# KiCad board 60B.kicad_pcb
title: ZENSAI 60B; rev: i1v1; company: shoonie
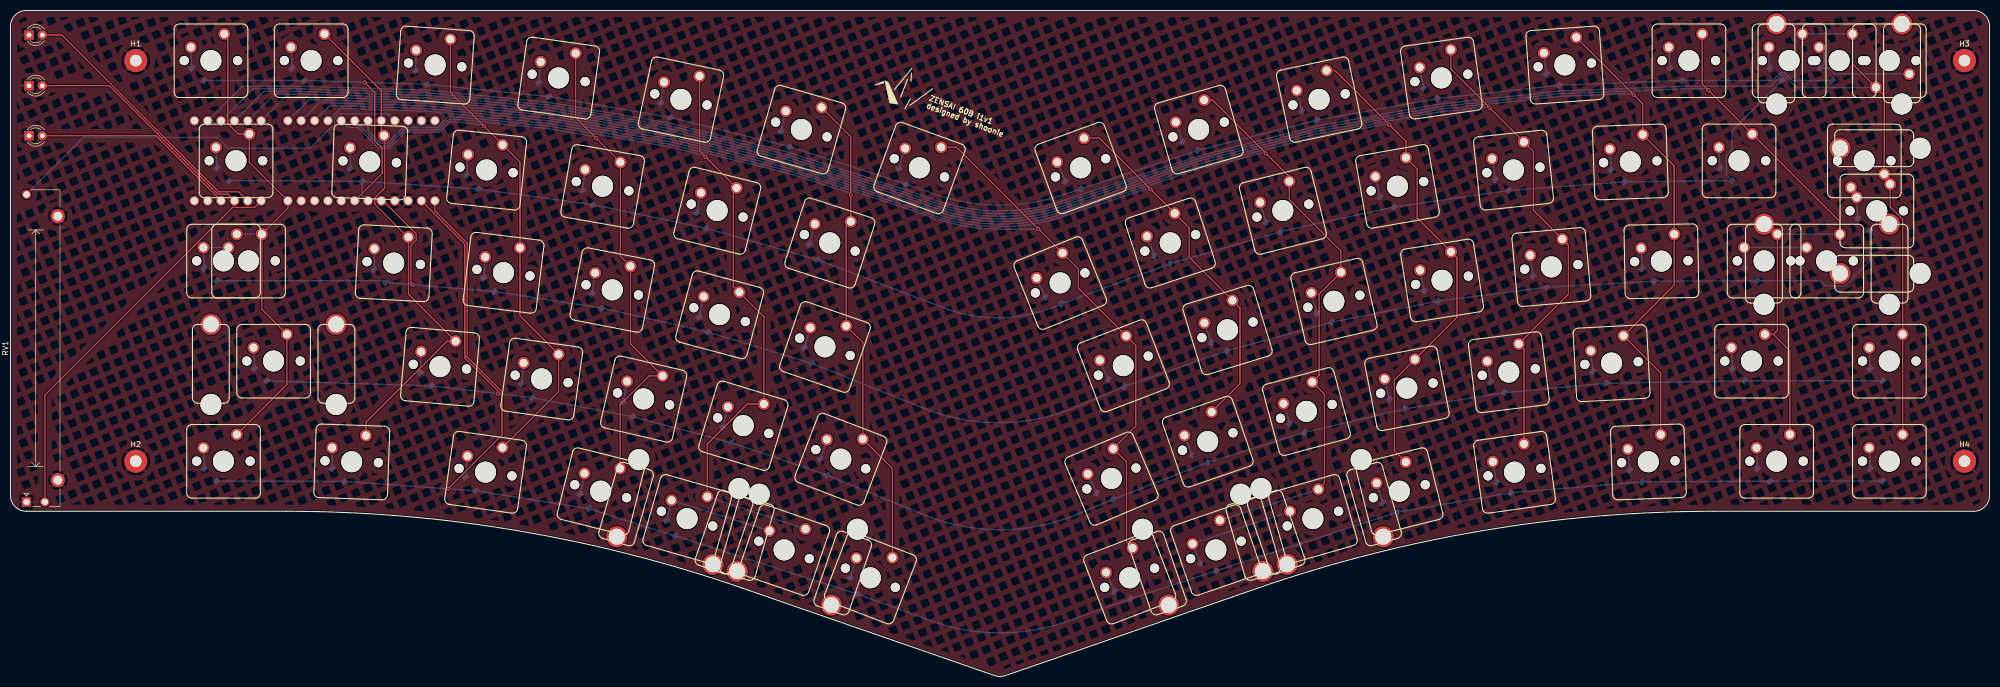
[diagram p0: board, top side]
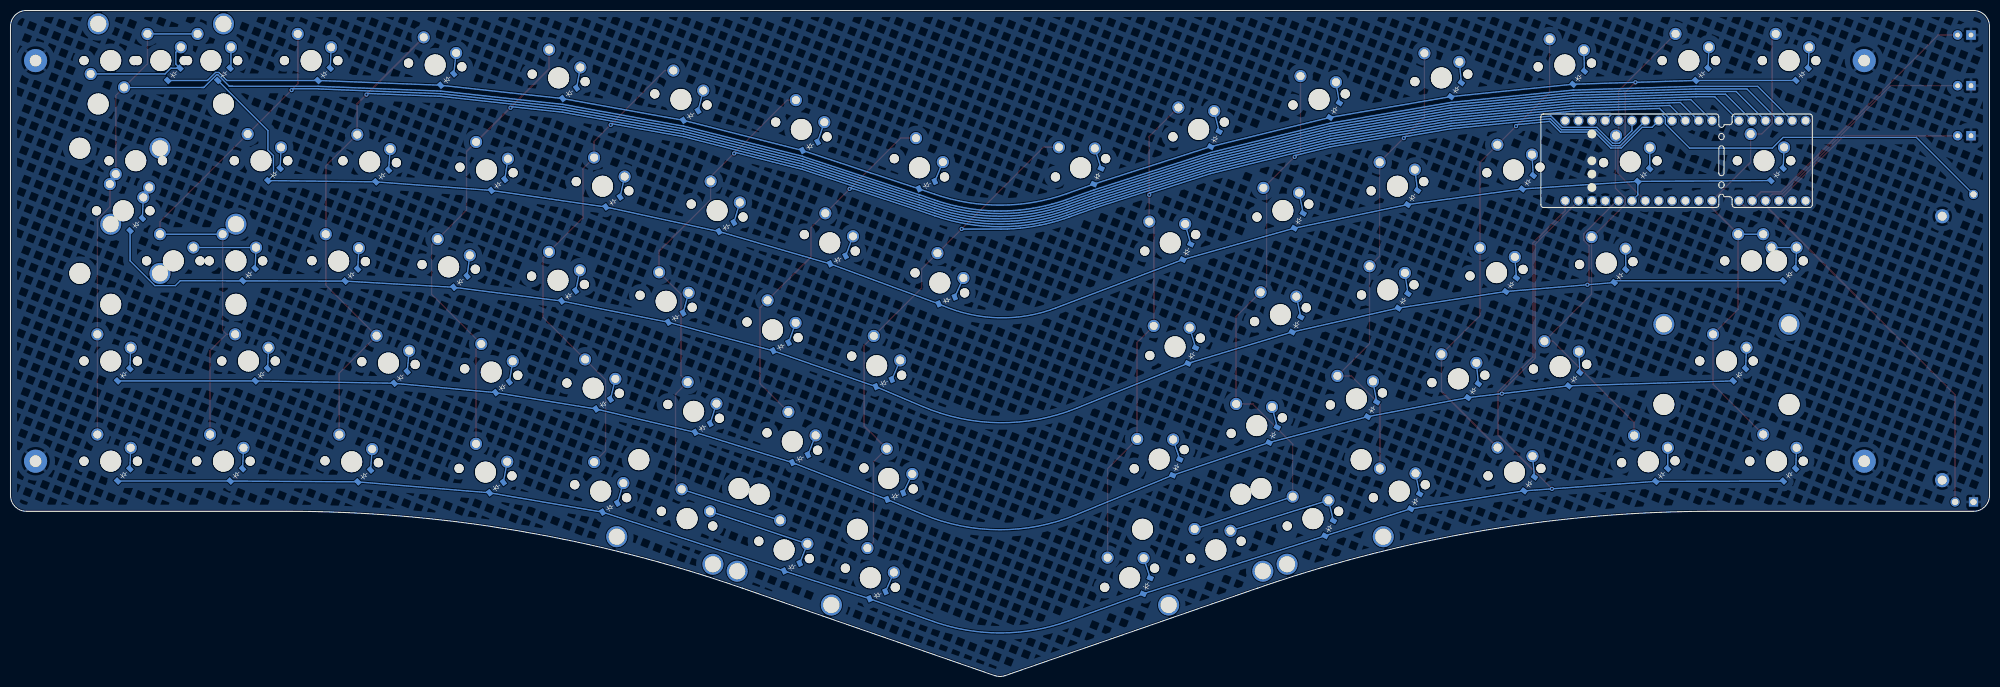
[diagram p1: board, bottom side, seen from below]

Outline 376.24 x 126.68 mm; copper layers: Top, Bottom. Coordinates in mm from the lower left corner of the outline.
Outline path: 0,123.68 0,34.43 arc(0.88,32.31) 3,31.43 52.39,31.43 arc(96.35,27.75) 139.09,16.82 187.14,0.17 arc(188.12,0) 189.1,0.17 237.14,16.82 arc(279.89,27.75) 323.85,31.43 373.24,31.43 arc(375.36,32.31) 376.24,34.43 376.24,123.68 arc(375.36,125.8) 373.24,126.68 3,126.68 arc(0.88,125.8) 0,123.68
Stack: Top 0.035mm / dielectric 1.51mm FR4 er 4.5 / Bottom 0.035mm

## Placement (name value [footprint] x y rotation side)
D1  D_Small  [D_SOD-123_CLEAN]  35.56 114.61 315 bottom
D2  D_Small  [D_SOD-123_CLEAN]  54.61 114.61 315 bottom
D3  D_Small  [D_SOD-123_CLEAN]  78.03 113.97 311 bottom
D4  D_Small  [D_SOD-123_CLEAN]  101.34 111.7 307 bottom
D5  D_Small  [D_SOD-123_CLEAN#3]  124.44 107.81 303 bottom
D6  D_Small  [D_SOD-123_CLEAN]  147.21 102.31 299 bottom
D7  D_Small  [D_SOD-123_CLEAN]  169.54 95.24 295 bottom
D8  D_Small  [D_SOD-123_CLEAN]  201.92 93.51 335 bottom
D9  D_Small  [D_SOD-123_CLEAN]  224.14 100.91 331 bottom
D10  D_Small  [D_SOD-123_CLEAN#3]  246.83 106.75 327 bottom
D11  D_Small  [D_SOD-123_CLEAN]  269.87 110.99 323 bottom
D12  D_Small  [D_SOD-123_CLEAN]  293.14 113.62 319 bottom
D13  D_Small  [D_SOD-123_CLEAN]  316.55 114.61 315 bottom
D14  D_Small  [D_SOD-123_CLEAN]  345.12 114.61 315 bottom
D16  D_Small  [D_SOD-123_CLEAN]  40.32 95.56 315 bottom
D17  D_Small  [D_SOD-123_CLEAN]  65.66 95.46 313 bottom
D18  D_Small  [D_SOD-123_CLEAN]  87.71 94.1 309 bottom
D19  D_Small  [D_SOD-123_CLEAN]  109.62 91.2 305 bottom
D20  D_Small  [D_SOD-123_CLEAN]  131.27 86.78 301 bottom
D21  D_Small  [D_SOD-123_CLEAN#3]  152.55 80.86 297 bottom
D22  D_Small  [D_SOD-123_CLEAN#3]  198.15 71.56 337 bottom
D23  D_Small  [D_SOD-123_CLEAN#3]  218.85 79.29 333 bottom
D24  D_Small  [D_SOD-123_CLEAN]  240.04 85.55 329 bottom
D25  D_Small  [D_SOD-123_CLEAN]  261.62 90.31 325 bottom
D26  D_Small  [D_SOD-123_CLEAN]  283.47 93.56 321 bottom
D27  D_Small  [D_SOD-123_CLEAN]  305.5 95.28 317 bottom
D28  D_Small  [D_SOD-123_CLEAN]  326.07 95.56 315 bottom
D29  D_Small  [D_SOD-123_CLEAN]  335.6 114.61 315 bottom
D30  D_Small  [D_SOD-123_CLEAN]  37.94 76.51 315 bottom
D32  D_Small  [D_SOD-123_CLEAN#2]  70.18 76.24 312 bottom
D33  D_Small  [D_SOD-123_CLEAN]  90.88 74.61 308 bottom
D34  D_Small  [D_SOD-123_CLEAN]  111.42 71.53 304 bottom
D35  D_Small  [D_SOD-123_CLEAN]  131.69 67.03 300 bottom
D36  D_Small  [D_SOD-123_CLEAN]  151.6 61.13 296 bottom
D37  D_Small  [D_SOD-123_CLEAN]  210.1 55.84 336 bottom
D38  D_Small  [D_SOD-123_CLEAN]  229.68 62.77 332 bottom
D39  D_Small  [D_SOD-123_CLEAN]  249.69 68.32 328 bottom
D40  D_Small  [D_SOD-123_CLEAN]  270.04 72.45 324 bottom
D41  D_Small  [D_SOD-123_CLEAN]  290.63 75.16 320 bottom
D42  D_Small  [D_SOD-123_CLEAN]  311.36 76.42 316 bottom
D44  D_Small  [D_SOD-123_CLEAN]  330.83 76.51 315 bottom
D46  D_Small  [D_SOD-123_CLEAN]  352.27 86.04 315 bottom
D47  D_Small  [D_SOD-123_CLEAN]  47.47 57.46 315 bottom
D48  D_Small  [D_SOD-123_CLEAN]  78.89 56.63 310 bottom
D49  D_Small  [D_SOD-123_CLEAN]  98.1 54.45 307 bottom
D50  D_Small  [D_SOD-123_CLEAN]  117.31 50.9 302 bottom
D51  D_Small  [D_SOD-123_CLEAN]  136.13 46.04 298 bottom
D52  D_Small  [D_SOD-123_CLEAN]  154.57 39.88 294 bottom
D53  D_Small  [D_SOD-123_CLEAN]  207.95 34.34 338 bottom
D54  D_Small  [D_SOD-123_CLEAN]  226.03 41.47 334 bottom
D55  D_Small  [D_SOD-123_CLEAN]  244.57 47.32 330 bottom
D56  D_Small  [D_SOD-123_CLEAN]  263.46 51.86 326 bottom
D57  D_Small  [D_SOD-123_CLEAN]  282.63 55.08 322 bottom
D58  D_Small  [D_SOD-123_CLEAN#2]  301.98 56.95 318 bottom
D59  D_Small  [D_SOD-123_CLEAN]  328.45 57.46 315 bottom
D60  D_Small  [D_SOD-123_CLEAN]  354.65 57.46 315 bottom
D61  D_Small  [D_SOD-123_CLEAN]  37.94 38.41 315 bottom
D62  D_Small  [D_SOD-123_CLEAN]  62.24 38.39 313 bottom
D63  D_Small  [D_SOD-123_CLEAN]  87.43 36.71 307 bottom
D64  D_Small  [D_SOD-123_CLEAN]  109.12 33.4 301 bottom
D65  D_Small  [D_SOD-123_CLEAN]  125.49 28.28 299 bottom
D67  D_Small  [D_SOD-123_CLEAN]  160.19 17.32 294 bottom
D68  D_Small  [D_SOD-123_CLEAN]  211.31 15.5 336 bottom
D69  D_Small  [D_SOD-123_CLEAN]  227.59 20.85 334 bottom
D71  D_Small  [D_SOD-123_CLEAN]  262.19 32.17 329 bottom
D72  D_Small  [D_SOD-123_CLEAN]  283.77 36 323 bottom
D73  D_Small  [D_SOD-123_CLEAN]  308.92 38.22 317 bottom
D74  D_Small  [D_SOD-123_CLEAN]  333.22 38.41 315 bottom
D75  D_Small  [D_SOD-123_CLEAN]  354.65 38.41 315 bottom
D76  LED  [LED_D3.0mm]  4.79 121.89 0 top
D77  LED  [LED_D3.0mm#2]  4.79 112.38 0 top
D78  LED  [LED_D3.0mm#2]  4.79 102.86 0 top
H1  MountingHole_Pad  [MountingHole_2.2mm_M2_Pad]  23.81 117.15 0 top
H2  MountingHole_Pad  [MountingHole_2.2mm_M2_Pad]  23.81 40.95 0 top
H3  MountingHole_Pad  [MountingHole_2.2mm_M2_Pad]  371.48 117.15 0 top
H4  MountingHole_Pad  [MountingHole_2.2mm_M2_Pad]  371.48 40.95 0 top
MX1  MX_SW_solder  [SW_MX_1u]  38.1 117.15 0 top
MX2  MX_SW_solder  [SW_MX_1u]  57.15 117.15 0 top
MX3  MX_SW_solder  [SW_MX_1u]  80.74 116.33 356 top
MX4  MX_SW_solder  [SW_MX_1u]  104.21 113.86 352 top
MX5  MX_SW_solder  [SW_MX_1u]  127.45 109.77 348 top
MX6  MX_SW_solder  [SW_MX_1u]  150.35 104.06 344 top
MX7  MX_SW_solder  [SW_MX_1u]  172.8 96.76 340 top
MX8  MX_SW_solder  [SW_MX_1u]  203.44 96.76 20 top
MX9  MX_SW_solder  [SW_MX_1u]  225.88 104.06 16 top
MX10  MX_SW_solder  [SW_MX_1u]  248.78 109.77 12 top
MX11  MX_SW_solder  [SW_MX_1u]  272.03 113.86 8 top
MX12  MX_SW_solder  [SW_MX_1u]  295.5 116.33 4 top
MX13  MX_SW_solder  [SW_MX_1u]  319.09 117.15 0 top
MX14  MX_SW_solder  [SW_MX_1u]  347.66 117.15 0 top
MX15  MX_SW_solder  [SW_MX_1u]  357.19 117.15 180 top
MX16  MX_SW_solder  [SW_MX_1u]  42.86 98.1 0 top
MX17  MX_SW_solder  [SW_MX_1u]  68.29 97.91 358 top
MX18  MX_SW_solder  [SW_MX_1u]  90.5 96.36 354 top
MX19  MX_SW_solder  [SW_MX_1u]  112.56 93.26 350 top
MX20  MX_SW_solder  [SW_MX_1u]  134.34 88.63 346 top
MX21  MX_SW_solder  [SW_MX_1u]  155.75 82.49 342 top
MX22  MX_SW_solder  [SW_MX_1u]  199.56 74.87 22 top
MX23  MX_SW_solder  [SW_MX_1u]  220.48 82.49 18 top
MX24  MX_SW_solder  [SW_MX_1u]  241.89 88.63 14 top
MX25  MX_SW_solder  [SW_MX_1u]  263.68 93.26 10 top
MX26  MX_SW_solder  [SW_MX_1u]  285.73 96.36 6 top
MX27  MX_SW_solder  [SW_MX_1u]  307.95 97.91 2 top
MX28  MX_SW_solder  [SW_MX_1u]  328.61 98.1 0 top
MX29  MX_SW_solder  [SW_MX_1u]  338.14 117.15 0 top
MX30  MX_SW_solder  [SW_MX_1u]  40.48 79.05 0 top
MX31  MX_SW_solder  [SW_MX_1u]  45.24 79.05 0 top
MX32  MX_SW_solder  [SW_MX_1u]  72.85 78.64 357 top
MX33  MX_SW_solder  [SW_MX_1u]  93.72 76.82 353 top
MX34  MX_SW_solder  [SW_MX_1u]  114.4 73.54 349 top
MX35  MX_SW_solder  [SW_MX_1u]  134.81 68.83 345 top
MX36  MX_SW_solder  [SW_MX_1u]  154.83 62.71 341 top
MX37  MX_SW_solder  [SW_MX_1u]  211.56 59.13 21 top
MX38  MX_SW_solder  [SW_MX_1u]  231.37 65.94 17 top
MX39  MX_SW_solder  [SW_MX_1u]  251.59 71.36 13 top
MX40  MX_SW_solder  [SW_MX_1u]  272.15 75.36 9 top
MX41  MX_SW_solder  [SW_MX_1u]  292.94 77.91 5 top
MX42  MX_SW_solder  [SW_MX_1u]  313.85 79.01 1 top
MX43  MX_SW_solder  [SW_MX_1u]  345.28 79.05 0 top
MX44  MX_SW_solder  [SW_MX_1u]  333.37 79.05 0 top
MX45  MX_SW_solder  [SW_MX_1u]  352.42 98.1 180 top
MX46  MX_SW_solder  [SW_MX_1u]  354.81 88.58 0 top
MX47  MX_SW_solder  [SW_MX_1u]  50.01 60 0 top
MX48  MX_SW_solder  [SW_MX_1u]  81.64 58.94 355 top
MX49  MX_SW_solder  [SW_MX_1u]  100.97 56.61 352 top
MX50  MX_SW_solder  [SW_MX_1u]  120.36 52.8 347 top
MX51  MX_SW_solder  [SW_MX_1u]  139.3 47.73 343 top
MX52  MX_SW_solder  [SW_MX_1u]  157.85 41.34 339 top
MX53  MX_SW_solder  [SW_MX_1u]  209.3 37.67 23 top
MX54  MX_SW_solder  [SW_MX_1u]  227.61 44.7 19 top
MX55  MX_SW_solder  [SW_MX_1u]  246.36 50.43 15 top
MX56  MX_SW_solder  [SW_MX_1u]  265.47 54.84 11 top
MX57  MX_SW_solder  [SW_MX_1u]  284.84 57.91 7 top
MX58  MX_SW_solder  [SW_MX_1u]  304.38 59.62 3 top
MX59  MX_SW_solder  [SW_MX_1u]  330.99 60 0 top
MX60  MX_SW_solder  [SW_MX_1u]  357.19 60 0 top
MX61  MX_SW_solder  [SW_MX_1u]  40.48 40.95 0 top
MX62  MX_SW_solder  [SW_MX_1u]  64.86 40.84 358 top
MX63  MX_SW_solder  [SW_MX_1u]  90.3 38.87 352 top
MX64  MX_SW_solder  [SW_MX_1u]  112.2 35.25 346 top
MX65  MX_SW_solder  [SW_MX_1u]  128.63 30.02 344 top
MX66  MX_SW_solder  [SW_MX_1u]  147.07 24.08 341 top
MX67  MX_SW_solder  [SW_MX_1u]  163.47 18.78 339 top
MX68  MX_SW_solder  [SW_MX_1u]  212.77 18.78 21 top
MX69  MX_SW_solder  [SW_MX_1u]  229.17 24.08 19 top
MX70  MX_SW_solder  [SW_MX_1u]  247.61 30.02 16 top
MX71  MX_SW_solder  [SW_MX_1u]  264.04 35.25 14 top
MX72  MX_SW_solder  [SW_MX_1u]  285.93 38.87 8 top
MX73  MX_SW_solder  [SW_MX_1u]  311.37 40.84 2 top
MX74  MX_SW_solder  [SW_MX_1u]  335.76 40.95 0 top
MX75  MX_SW_solder  [SW_MX_1u]  357.19 40.95 0 top
REF**  -  [info]  174.37 109.41 339 top
RV1  R_Potentiometer_MountingPin  [Potentiometer_Bourns_PTA4543_Single_Slide]  3.04 33.2 90 top
S14  MX_stab  [STAB_MX_P_2u]  347.66 117.15 0 top
S43  MX_stab  [STAB_MX_P_2u]  345.28 79.05 0 top
S46  MX_stab  [STAB_MX_P_2u]  354.81 88.58 90 top
S47  MX_stab  [STAB_MX_P_2u]  50.01 60 0 top
S65  MX_stab  [STAB_MX_P_2u]  128.63 30.02 164 top
S66  MX_stab  [STAB_MX_P_2u]  147.07 24.08 161 top
S69  MX_stab  [STAB_MX_P_2u]  229.17 24.08 199 top
S70  MX_stab  [STAB_MX_P_2u]  247.61 30.02 196 top
U1  Bonsai-C4-extended  [Bonsai_C4_extended_THT]  67.31 98.1 90 bottom

## Library data of the parts
D1-D14 D16-D30 D32-D42 D44 D46-D65 D67-D69 D71-D75 = -: Description: Diode, small symbol; Sim.Device: D; Sim.Pins: 1=K 2=A
D76-D78 = -: Description: Light emitting diode
H1-H4 = -: Description: Mounting Hole with connection
MX1-MX75 = -: Description: Push button switch, normally open, two pins, 45° tilted
RV1 = -: Description: Potentiometer with a mounting pin
S14 S43 S46 S47 S65 S66 S69 S70 = -: Description: Cherry MX-style stabilizer

## Footprints (pads in the part's own frame, mm; a bottom-side part is the same pattern mirrored in y, then rotated)
Bonsai_C4_extended_THT
  round 1.89 hole 1.39: 1(-7.62,13.36) 2(-7.62,10.82) 3(-7.62,8.28) 4(-7.62,5.74) 5(-7.62,3.2) 6(-7.62,0.66) 7(-7.62,-1.88) 8(-7.62,-4.42) 9(-7.62,-6.96) 10(-7.62,-9.5) 11(-7.62,-12.04) 12(-7.62,-14.58) 17(7.62,13.36) 18(7.62,10.82) 19(7.62,8.28) 20(7.62,5.74) 21(7.62,3.2) 22(7.62,0.66) 23(7.62,-1.88) 24(7.62,-6.96) 25(7.62,-4.42) 26(7.62,-9.5) 27(7.62,-12.04) 28(7.62,-14.58) 29(-7.62,-19.66) 30(-7.62,-22.2) 31(-7.62,-24.74) 32(-7.62,-27.28) 33(-7.62,-29.82) 34(-7.62,-32.36) 35(7.62,-19.66) 36(7.62,-22.2) 37(7.62,-24.74) 38(7.62,-27.28) 39(7.62,-29.82) 40(7.62,-32.36)
D_SOD-123_CLEAN
  rect 0.9x1.2 smd: 1(1.75,0) 2(-1.55,0)
D_SOD-123_CLEAN#2
  rect 0.9x1.2 smd: 1(1.75,0) 2(-1.55,0)
D_SOD-123_CLEAN#3
  rect 0.9x1.2 smd: 1(1.75,0) 2(-1.55,0)
LED_D3.0mm
  rect 1.8x1.8 hole 0.9: 1(-1.27,0.127)
  round 1.8 hole 0.9: 2(1.27,0.127)
LED_D3.0mm#2
  rect 1.8x1.8 hole 0.9: 1(-1.27,0)
  round 1.8 hole 0.9: 2(1.27,0)
MountingHole_2.2mm_M2_Pad
  round 4.4 hole 2.2: 1(0,0)
Potentiometer_Bourns_PTA4543_Single_Slide
  rect 1.75x1.75 hole 1.2: 1(0,0)
  round 1.75 hole 1.2: 2(0,-3.5) 3(58.5,0)
  round 2.7 hole 1.7: MP(4.15,-5.95) MP(54.35,-5.95)
STAB_MX_P_2u
  round 4 hole 3.048: (-11.906,6.985) (11.906,6.985)
  round 3.988 hole 3.988 unplated: (-11.906,-8.255) (11.906,-8.255)
SW_MX_1u
  round 1.75 hole 1.75 unplated: (-5.08,0) (5.08,0)
  round 3.988 hole 3.988 unplated: (0,0)
  round 2.3 hole 1.524: 1(-3.81,2.54) 2(2.54,5.08)

## Nets
+3.3V: RV1.3 U1.20
GND: D76.1 D77.1 D78.1 H1.1 H2.1 H3.1 H4.1 RV1.1 RV1.MP U1.3 U1.4 U1.18
COL0: MX1.2 MX16.2 MX30.2 MX31.2 MX47.2 MX61.2 U1.12
COL1: MX2.2 MX17.2 MX32.2 MX48.2 MX62.2 U1.21
COL2: MX3.2 MX18.2 MX33.2 MX49.2 MX63.2 U1.25
COL3: MX4.2 MX19.2 MX34.2 MX50.2 MX64.2 U1.23
COL4: MX5.2 MX20.2 MX35.2 MX51.2 MX65.2 MX66.2 U1.22
COL5: MX6.2 MX21.2 MX36.2 MX52.2 MX67.2 U1.24
COL6: MX7.2 MX22.2 MX37.2 MX53.2 MX68.2 U1.26
COL7: MX8.2 MX23.2 MX38.2 MX54.2 U1.27
COL8: MX9.2 MX24.2 MX39.2 MX55.2 MX69.2 MX70.2 U1.28
COL9: MX10.2 MX25.2 MX40.2 MX56.2 MX71.2 U1.35
COL10: MX11.2 MX26.2 MX41.2 MX57.2 MX72.2 U1.36
COL11: MX12.2 MX27.2 MX42.2 MX58.2 MX73.2 U1.37
COL12: MX13.2 MX28.2 MX43.2 MX44.2 MX59.2 MX74.2 U1.38
COL13: MX14.2 MX15.2 MX29.2 MX45.1 MX46.2 MX60.2 MX75.2 U1.39
LED1: D76.2 U1.30
LED2: D77.2 U1.31
LED3: D78.2 U1.32
POT: RV1.2 U1.29
ROW0: D1.1 D2.1 D3.1 D4.1 D5.1 D6.1 D7.1 D8.1 D9.1 D10.1 D11.1 D12.1 D13.1 D14.1 U1.7
ROW1: D16.1 D17.1 D18.1 D19.1 D20.1 D21.1 D22.1 D23.1 D24.1 D25.1 D26.1 D27.1 D28.1 D29.1 U1.6
ROW2: D30.1 D32.1 D33.1 D34.1 D35.1 D36.1 D37.1 D38.1 D39.1 D40.1 D41.1 D42.1 D44.1 D46.1 U1.5
ROW3: D47.1 D48.1 D49.1 D50.1 D51.1 D52.1 D53.1 D54.1 D55.1 D56.1 D57.1 D58.1 D59.1 D60.1 U1.2
ROW4: D61.1 D62.1 D63.1 D64.1 D65.1 D67.1 D68.1 D69.1 D71.1 D72.1 D73.1 D74.1 D75.1 U1.1
Net-(D1-A): D1.2 MX1.1
Net-(D2-A): D2.2 MX2.1
Net-(D3-A): D3.2 MX3.1
Net-(D4-A): D4.2 MX4.1
Net-(D5-A): D5.2 MX5.1
Net-(D6-A): D6.2 MX6.1
Net-(D7-A): D7.2 MX7.1
Net-(D8-A): D8.2 MX8.1
Net-(D9-A): D9.2 MX9.1
Net-(D10-A): D10.2 MX10.1
Net-(D11-A): D11.2 MX11.1
Net-(D12-A): D12.2 MX12.1
Net-(D13-A): D13.2 MX13.1
Net-(D14-A): D14.2 MX14.1 MX15.1
Net-(D16-A): D16.2 MX16.1
Net-(D17-A): D17.2 MX17.1
Net-(D18-A): D18.2 MX18.1
Net-(D19-A): D19.2 MX19.1
Net-(D20-A): D20.2 MX20.1
Net-(D21-A): D21.2 MX21.1
Net-(D22-A): D22.2 MX22.1
Net-(D23-A): D23.2 MX23.1
Net-(D24-A): D24.2 MX24.1
Net-(D25-A): D25.2 MX25.1
Net-(D26-A): D26.2 MX26.1
Net-(D27-A): D27.2 MX27.1
Net-(D28-A): D28.2 MX28.1
Net-(D29-A): D29.2 MX29.1
Net-(D30-A): D30.2 MX30.1 MX31.1
Net-(D32-A): D32.2 MX32.1
Net-(D33-A): D33.2 MX33.1
Net-(D34-A): D34.2 MX34.1
Net-(D35-A): D35.2 MX35.1
Net-(D36-A): D36.2 MX36.1
Net-(D37-A): D37.2 MX37.1
Net-(D38-A): D38.2 MX38.1
Net-(D39-A): D39.2 MX39.1
Net-(D40-A): D40.2 MX40.1
Net-(D41-A): D41.2 MX41.1
Net-(D42-A): D42.2 MX42.1
Net-(D43-A): D44.2 MX43.1 MX44.1
Net-(D45-A): D46.2 MX45.2 MX46.1
Net-(D47-A): D47.2 MX47.1
Net-(D48-A): D48.2 MX48.1
Net-(D49-A): D49.2 MX49.1
Net-(D50-A): D50.2 MX50.1
Net-(D51-A): D51.2 MX51.1
Net-(D52-A): D52.2 MX52.1
Net-(D53-A): D53.2 MX53.1
Net-(D54-A): D54.2 MX54.1
Net-(D55-A): D55.2 MX55.1
Net-(D56-A): D56.2 MX56.1
Net-(D57-A): D57.2 MX57.1
Net-(D58-A): D58.2 MX58.1
Net-(D59-A): D59.2 MX59.1
Net-(D60-A): D60.2 MX60.1
Net-(D61-A): D61.2 MX61.1
Net-(D62-A): D62.2 MX62.1
Net-(D63-A): D63.2 MX63.1
Net-(D64-A): D64.2 MX64.1
Net-(D65-A): D65.2 MX65.1 MX66.1
Net-(D67-A): D67.2 MX67.1
Net-(D68-A): D68.2 MX68.1
Net-(D69-A): D69.2 MX69.1 MX70.1
Net-(D71-A): D71.2 MX71.1
Net-(D72-A): D72.2 MX72.1
Net-(D73-A): D73.2 MX73.1
Net-(D74-A): D74.2 MX74.1
Net-(D75-A): D75.2 MX75.1

Pads without a net: U1 8 9 10 11 17 19 33 34 40

## Via types
v1: diameter 0.8, hole 0.4, Top to Bottom, 15 vias

## Routing (per net, layer and track width the routed paths; a pad name or vN(x,y) marks a point on that pad's centre or on a via; arc(x,y) is an arc through that point)
+3.3V: length 79.2
  Bottom w0.25: U1.20 71.78,106.99 62.36,106.99 61.62,106.25 61.62,105.11 57.02,100.52 41.27,100.52 39.23,102.55 13.89,102.55 3.04,91.7
COL0: length 94.2
  Top w0.25: MX61.2 52.55,55.56 MX47.2 47.78,69.85 MX31.2 52.73,89.08 U1.12 45.4,97.81 45.4,103.18 43.31,103.18 41.3,105.2 41.3,121.57
  Bottom w0.25: MX30.2 MX31.2
COL1: length 95.6
  Top w0.25: MX17.2 71.12,102.78 71.12,92.89 69.24,91.01 69.24,89.82 75.56,83.5 ; MX32.2 75.66,72.73 MX48.2 82.99,63.77 67.58,48.37 MX62.2 ; MX2.2 70.51,111.41 U1.21 70.51,103.39
COL2: length 122.2
  Top w0.25: MX3.2 83.63,111.08 v1(90.02,104.68) MX18.2 96.86,97.85 MX33.2 96.86,68.62 MX49.2 104.19,54.21 MX63.2
  Bottom w0.25: U1.25 64.16,104.45 66.06,104.45 70,100.52 71.99,100.52 75.02,103.55 81.57,103.55 83.6,105.58 83.69,105.58 89.92,104.95 90.02,104.85 v1(90.02,104.68)
COL3: length 141.1
  Top w0.25: MX4.2 107.43,106.33 v1(111.36,102.4) MX19.2 115.94,79.96 MX34.2 117.86,63.29 MX50.2 121.39,57.18 115.89,51.69 MX64.2
  Bottom w0.25: v1(111.36,102.4) 111.12,102.64 111.12,102.68 102.38,104.19 83.69,106.08 83.46,106.08 81.38,104 74.83,104 71.8,100.97 70.18,100.97 U1.23
COL4: length 181.1
  Top w0.25: v1(132.09,98.84) 132.14,98.84 132.48,98.5 ; MX5.2 130.99,99.99 132.48,98.5 ; 132.48,98.5 MX20.2 ; 137.42,92.33 137.42,74.23 MX35.2 143.22,68.44 MX51.2 140.07,51.84 132.47,44.25 MX65.2
  Bottom w0.25: v1(132.09,98.84) 132.09,98.97 131.95,99.12 125.37,100.73 102.38,104.69 83.44,106.61 83.35,106.61 81.2,104.45 74.64,104.45 71.61,101.42 70.39,101.42 67.97,103.84 U1.22 ; MX66.2 MX65.2
COL5: length 194.3
  Top w0.25: MX6.2 159.74,102.69 v1(159.74,91.63) MX21.2 158.89,85.68 MX36.2 162.04,63.53 MX52.2 167.66,39.55 MX67.2
  Bottom w0.25: 159.74,91.59 159.74,91.85 159.64,91.95 148.04,95.67 125.37,101.23 102.38,105.19 79.16,107.54 62.74,108.05 62.72,108.05 60.35,105.68
COL6: length 238.2
  Top w0.25: MX68.2 212.17,25.58 212.17,40.82 MX53.2 213.93,47.62 213.93,62.96 MX37.2 203.02,73.88 203.02,77.52 MX22.2 v1(195.41,85.13) 179.87,100.67 MX7.2
  Bottom w0.25: 57.81,105.68 60.74,108.61 60.83,108.61 79.16,108.04 102.38,105.69 125.37,101.73 148.04,96.17 148.13,96.17 170.12,89.12 175.05,87.37 175.06,87.37 175.82,87.1 176.99,86.73 178.18,86.39 179.38,86.09 180.59,85.83 181.8,85.61 183.02,85.43 184.25,85.28 185.48,85.18 186.71,85.12 187.95,85.09 195.41,85.09
COL7: length 235.5
  Top w0.25: 216.98,92.45 MX23.2 224.07,85.37 224.07,79.79 MX38.2 233.73,70.12 233.73,55.71 MX54.2 ; 216.98,92.45 216.71,92.72 v1(216.71,92.75) ; 216.98,92.45 207.03,102.4 MX8.2
  Bottom w0.25: 216.66,92.73 216.59,92.73 216.41,92.91 203.49,88.65 200.53,87.63 arc(187.95,85.55) 175.38,87.73 170.27,89.55 148.04,96.67 125.37,102.23 102.38,106.19 79.16,108.54 58.8,109.17 58.76,109.17 55.27,105.68
COL8: length 300.7
  Top w0.25: 243.13,95.06 238.7,99.49 v1(238.66,99.49) 238.66,99.53 228.55,109.64 MX9.2 ; MX70.2 249.8,36.76 249.8,53.7 MX55.2 248.79,57.28 248.79,72.74 MX39.2 252.93,80.94 243.13,90.74 MX24.2
  Bottom w0.25: 52.73,105.68 56.78,109.73 56.9,109.73 79.16,109.04 102.38,106.69 125.37,102.73 148.04,97.17 170.27,90.05 175.38,88.23 arc(187.95,86.05) 200.53,88.13 203.49,89.15 225.65,96.45 238.51,99.71 238.51,99.64 v1(238.66,99.49) ; MX69.2 MX70.2
COL9: length 313.3
  Top w0.25: MX71.2 263.1,42.96 263.1,56.42 MX56.2 275.02,68.33 275.02,79.63 MX40.2 267.43,87.21 267.43,96.57 MX25.2 265.3,101.8 262.17,104.93 v1(262.13,104.93) 262.13,104.97 251.84,115.26 MX10.2
  Bottom w0.25: 47.65,105.68 52.23,110.26 55.83,110.26 79.16,109.54 102.38,107.19 125.37,103.23 148.04,97.67 170.27,90.55 175.38,88.73 arc(187.95,86.55) 200.53,88.63 203.49,89.65 225.65,96.95 248.28,102.69 261.87,105.14 261.92,105.14 v1(262.13,104.93)
COL10: length 332.7
  Top w0.25: MX72.2 287.74,62.26 MX57.2 296.18,72.69 296.18,82.04 MX41.2 289.54,88.68 289.54,99.87 MX26.2 281.41,107.99 ; MX11.2 273.84,115.57 281.41,107.99 ; 281.41,107.99 281.22,108.18 v1(281.19,108.18)
  Bottom w0.25: 281.16,108.18 281.16,108.29 281.05,108.4 271.25,107.33 248.28,103.19 225.65,97.45 203.49,90.15 200.53,89.13 arc(187.95,87.05) 175.38,89.23 170.27,91.05 148.04,98.17 125.37,103.73 102.38,107.69 79.16,110.04 55.83,110.76 50.19,110.76 45.11,105.68
COL11: length 364.4
  Top w0.25: 308.72,110.53 310.31,108.94 MX27.2 316.3,97.09 MX42.2 316.3,74.47 MX58.2 313.74,57.74 MX73.2 ; 308.72,110.53 MX12.2 ; 308.72,110.53 v1(308.57,110.68)
  Bottom w0.25: 308.53,110.72 308.36,110.9 294.45,110.36 271.25,107.83 248.28,103.69 225.65,97.95 203.49,90.65 200.53,89.63 arc(187.95,87.55) 175.38,89.73 170.27,91.55 148.04,98.67 125.37,104.23 102.38,108.19 79.16,110.54 55.83,111.26 48.15,111.26 42.57,105.68
COL12: length 393.2
  Top w0.25: MX13.2 321.63,112.71 v1(322.8,111.53) 331.15,103.18 347.82,86.52 MX43.2 ; MX74.2 338.3,61.95 335.16,65.08 ; 335.16,65.08 335.91,65.84 MX44.2 ; 335.16,65.08 MX59.2
  Bottom w0.25: 317.63,111.76 294.45,110.86 271.25,108.33 248.28,104.19 225.65,98.45 203.49,91.15 200.53,90.13 arc(187.95,88.05) 175.38,90.23 170.27,92.05 148.04,99.17 125.37,104.73 102.38,108.69 79.16,111.04 55.83,111.76 46.11,111.76 40.03,105.68 ; MX44.2 MX43.2 ; v1(322.8,111.53) 322.54,111.8 317.63,111.8
COL13: length 417.3
  Top w0.25: 356.23,94.77 MX46.2 357.35,89.35 359.73,86.97 MX60.2 MX75.2 ; MX14.2 350.2,116.52 MX15.2 356.23,110.49 MX45.1
  Bottom w0.25: 339.47,112.03 339.85,112.03 ; 339.85,112.03 354.65,112.03 ; 339.85,112.03 339.49,112.03 337.08,114.44 336.81,114.44 334.63,112.26 ; MX29.2 MX14.2 ; 334.01,112.26 317.77,112.26 294.45,111.36 271.25,108.83 248.28,104.69 225.65,98.95 225.62,98.91 203.52,91.64 203.5,91.64 203.49,91.65 200.53,90.63 199.96,90.44 198.79,90.08 197.61,89.75 196.43,89.47 195.23,89.22 194.03,89.01 192.82,88.84 191.61,88.71 190.39,88.62 189.17,88.56 187.95,88.55 186.73,88.57 185.51,88.63 184.29,88.74 183.08,88.88 181.88,89.06 180.67,89.28 179.48,89.53 178.3,89.83 177.12,90.16 175.96,90.53 175.38,90.73 170.27,92.55 148.04,99.67 125.37,105.23 102.38,109.19 79.16,111.54 55.83,112.26 44.07,112.26 37.49,105.68 ; 334.01,112.26 334.63,112.26 ; 334.01,112.26 334.63,112.26
LED1: length 52.1
  Top w0.25: D76.2 9.77,122.02 39.58,92.2 43.39,92.2 U1.30
LED2: length 45.6
  Top w0.25: U1.31 41.3,91.75 39.4,91.75 18.77,112.38 D77.2
LED3: length 39.1
  Top w0.25: D78.2 27.66,102.86 U1.32
POT: length 76.8
  Top w0.25: U1.29 46.38,89.21 42.21,89.21 6.54,53.55 RV1.2
ROW0: length 342.5
  Top w0.25: v1(67.31,113.02) 69.24,111.09 69.24,101.89 70.65,100.47 70.65,95.71 U1.7
  Bottom w0.25: D14.1 338.78,113.38 337.26,114.89 336.62,114.89 335.1,113.38 D13.1 D12.1 D11.1 D10.1 D9.1 D8.1 200.55,91.75 arc(187.97,89.66) 175.4,91.85 D7.1 D6.1 D5.1 D4.1 D3.1 v1(67.31,113.02) D2.1 D1.1
ROW1: length 320.7
  Bottom w0.25: U1.6 66.85,91.6 D17.1 ; D29.1 327.31,103.85 327.31,100.15 326.24,99.09 326.24,95.39 D28.1 D27.1 D26.1 D25.1 D24.1 D23.1 D22.1 198.96,70.54 arc(188.29,68.23) 177.53,70.09 D21.1 D20.1 D19.1 D18.1 D17.1 ; D17.1 D16.1
ROW2: length 349.1
  Top w0.25: v1(76.45,74.52) 76.11,74.86 76.11,81.95 77.13,82.97 77.13,84.19 70.84,90.48
  Bottom w0.25: D46.1 353.5,79.07 348.78,74.35 344.91,74.35 343.98,75.28 D42.1 D41.1 D40.1 D39.1 D38.1 D37.1 202.74,51.32 arc(188.19,48.27) 173.59,51.02 D36.1 D35.1 D34.1 D33.1 v1(76.45,74.52) D32.1 71.02,75.28 D30.1
ROW3: length 357.9
  Top w0.25: v1(92.71,53.8) 92.71,54.25 86.36,60.6 86.36,82.25 U1.2
  Bottom w0.25: D60.1 D59.1 D58.1 D57.1 D56.1 D55.1 D54.1 D53.1 202.79,30.85 arc(188.25,27.91) 173.68,30.75 D52.1 D51.1 D50.1 D49.1 v1(92.71,53.8) D48.1 D47.1
ROW4: length 389.1
  Top w0.25: v1(83.19,35.69) 93.44,45.94 93.44,54.16 86.81,60.79 86.81,82.44 80.67,88.58 U1.1
  Bottom w0.25: D75.1 D74.1 D73.1 D72.1 D71.1 D69.1 D68.1 200.87,10.49 arc(187.97,8.28) 175.07,10.57 D67.1 D65.1 D64.1 D63.1 v1(83.19,35.69) D62.1 D61.1
Net-(D1-A): length 4
  Bottom w0.25: MX1.1 D1.2
Net-(D2-A): length 4
  Bottom w0.25: MX2.1 D2.2
Net-(D3-A): length 4
  Bottom w0.25: MX3.1 D3.2
Net-(D4-A): length 4
  Bottom w0.25: MX4.1 D4.2
Net-(D5-A): length 4
  Bottom w0.25: MX5.1 D5.2
Net-(D6-A): length 4
  Bottom w0.25: MX6.1 D6.2
Net-(D7-A): length 4
  Bottom w0.25: MX7.1 D7.2
Net-(D8-A): length 4
  Bottom w0.25: MX8.1 D8.2
Net-(D9-A): length 4
  Bottom w0.25: MX9.1 D9.2
Net-(D10-A): length 4
  Bottom w0.25: MX10.1 D10.2
Net-(D11-A): length 4
  Bottom w0.25: MX11.1 D11.2
Net-(D12-A): length 4
  Bottom w0.25: MX12.1 D12.2
Net-(D13-A): length 4
  Bottom w0.25: MX13.1 D13.2
Net-(D14-A): length 22.1
  Bottom w0.25: 361,114.61 346.85,114.61 345.76,115.71 D14.2 344.81,116.49 344.81,118.74 MX14.1
Net-(D16-A): length 4
  Bottom w0.25: MX16.1 D16.2
Net-(D17-A): length 4
  Bottom w0.25: MX17.1 D17.2
Net-(D18-A): length 4
  Bottom w0.25: MX18.1 D18.2
Net-(D19-A): length 4
  Bottom w0.25: MX19.1 D19.2
Net-(D20-A): length 4
  Bottom w0.25: MX20.1 D20.2
Net-(D21-A): length 4
  Bottom w0.25: MX21.1 D21.2
Net-(D22-A): length 4
  Bottom w0.25: MX22.1 D22.2
Net-(D23-A): length 4
  Bottom w0.25: MX23.1 D23.2
Net-(D24-A): length 4
  Bottom w0.25: MX24.1 D24.2
Net-(D25-A): length 4
  Bottom w0.25: MX25.1 D25.2
Net-(D26-A): length 4
  Bottom w0.25: MX26.1 D26.2
Net-(D27-A): length 4
  Bottom w0.25: MX27.1 D27.2
Net-(D28-A): length 4
  Bottom w0.25: MX28.1 D28.2
Net-(D29-A): length 3.8
  Bottom w0.25: MX29.1 334.33,115.88
Net-(D30-A): length 8.8
  Bottom w0.25: MX31.1 MX30.1 D30.2
Net-(D32-A): length 4
  Bottom w0.25: MX32.1 D32.2
Net-(D33-A): length 4
  Bottom w0.25: MX33.1 D33.2
Net-(D34-A): length 4
  Bottom w0.25: MX34.1 D34.2
Net-(D35-A): length 4
  Bottom w0.25: MX35.1 D35.2
Net-(D36-A): length 4
  Bottom w0.25: MX36.1 D36.2
Net-(D37-A): length 4
  Bottom w0.25: MX37.1 D37.2
Net-(D38-A): length 4
  Bottom w0.25: MX38.1 D38.2
Net-(D39-A): length 4
  Bottom w0.25: MX39.1 D39.2
Net-(D40-A): length 4
  Bottom w0.25: MX40.1 D40.2
Net-(D41-A): length 4
  Bottom w0.25: MX41.1 D41.2
Net-(D42-A): length 4
  Bottom w0.25: MX42.1 D42.2
Net-(D43-A): length 15.9
  Bottom w0.25: D44.2 MX44.1 MX43.1
Net-(D45-A): length 5.6
  Bottom w0.25: 351,91.91 MX45.2 ; D46.2 MX46.1
Net-(D47-A): length 4
  Bottom w0.25: 46.2,62.54 D47.2
Net-(D48-A): length 4
  Bottom w0.25: MX48.1 D48.2
Net-(D49-A): length 4
  Bottom w0.25: MX49.1 D49.2
Net-(D50-A): length 4
  Bottom w0.25: MX50.1 D50.2
Net-(D51-A): length 4
  Bottom w0.25: MX51.1 D51.2
Net-(D52-A): length 4
  Bottom w0.25: MX52.1 D52.2
Net-(D53-A): length 4
  Bottom w0.25: MX53.1 D53.2
Net-(D54-A): length 4
  Bottom w0.25: MX54.1 D54.2
Net-(D55-A): length 4
  Bottom w0.25: MX55.1 D55.2
Net-(D56-A): length 4
  Bottom w0.25: MX56.1 D56.2
Net-(D57-A): length 4
  Bottom w0.25: MX57.1 D57.2
Net-(D58-A): length 4
  Bottom w0.25: MX58.1 D58.2
Net-(D59-A): length 4
  Bottom w0.25: 327.18,62.54 D59.2
Net-(D60-A): length 4
  Bottom w0.25: 353.38,62.54 D60.2
Net-(D61-A): length 4
  Bottom w0.25: MX61.1 D61.2
Net-(D62-A): length 4
  Bottom w0.25: MX62.1 D62.2
Net-(D63-A): length 4
  Bottom w0.25: MX63.1 D63.2
Net-(D64-A): length 4
  Bottom w0.25: MX64.1 D64.2
Net-(D65-A): length 23.5
  Bottom w0.25: D65.2 MX65.1 MX66.1
Net-(D67-A): length 4
  Bottom w0.25: MX67.1 D67.2
Net-(D68-A): length 4
  Bottom w0.25: MX68.1 D68.2
Net-(D69-A): length 23.5
  Bottom w0.25: D69.2 MX69.1 MX70.1
Net-(D71-A): length 4
  Bottom w0.25: MX71.1 D71.2
Net-(D72-A): length 4
  Bottom w0.25: MX72.1 D72.2
Net-(D73-A): length 4
  Bottom w0.25: MX73.1 D73.2
Net-(D74-A): length 4
  Bottom w0.25: MX74.1 D74.2
Net-(D75-A): length 4
  Bottom w0.25: MX75.1 D75.2

## Copper pours and planes (outline as drawn; the poured copper is in the pictures)
GND on Top, Bottom: -15.49,145.35 -15.11,-3.75 405.51,-3.75 405.89,145.6
